# KiCad board Soldermander.kicad_pcb (continued)
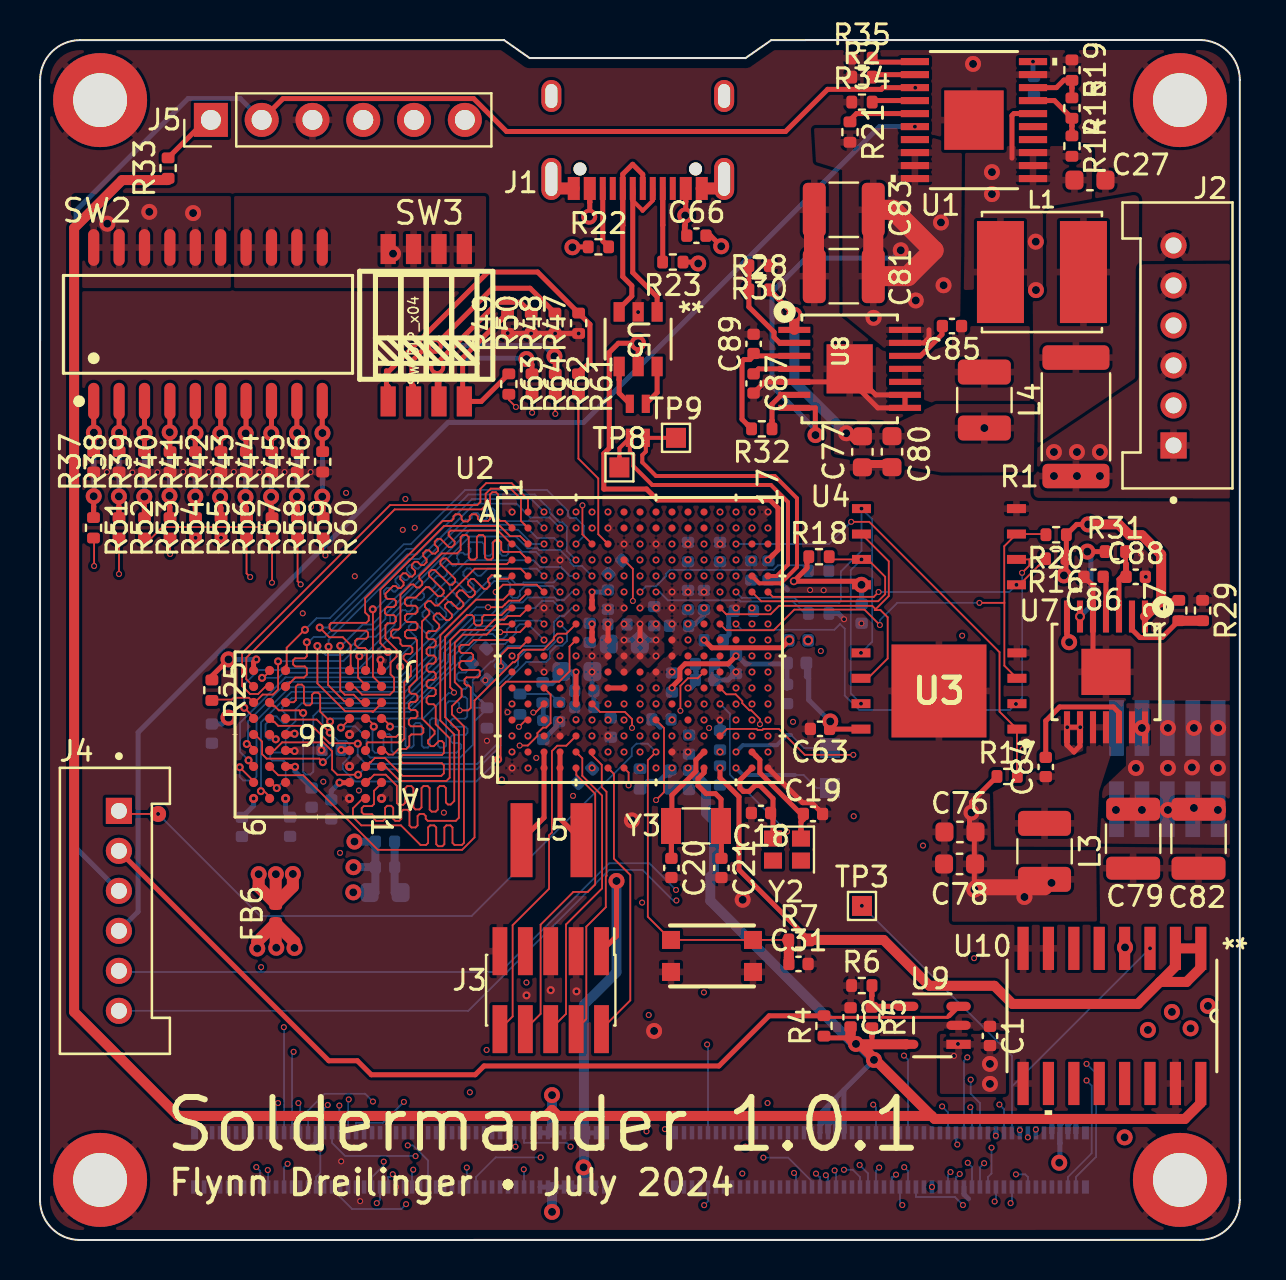
[diagram p0: board, top side]
## Footprints (pads in the part's own frame, mm; a bottom-side part is the same pattern mirrored in y, then rotated) (continued)
UDFN800X600X65-8
  rect 0.95x0.45 smd: 1(3.875,-1.905) 2(3.875,-0.635) 3(3.875,0.635) 4(3.875,1.905) 5(-3.875,1.905) 6(-3.875,0.635) 7(-3.875,-0.635) 8(-3.875,-1.905)
USB_C_Receptacle_XKB_U262-161N-4BVC11
  round 0.65 hole 0.65 unplated: (-2.39,4.045) (3.39,4.045)
  rect 0.6x1.15 smd: A1(-2.7,5.02) A4(-1.9,5.02) A9(2.9,5.02) A12(3.7,5.02)
  rect 0.3x1.15 smd: A5(-0.75,5.02) A6(0.25,5.02) A7(0.75,5.02) A8(1.75,5.02) B5(2.25,5.02) B6(1.25,5.02) B7(-0.25,5.02) B8(-1.25,5.02)
  oval 1x2.1 hole 0.6x1.7: S1(-3.82,4.545) S1(4.82,4.545)
  oval 1x1.6 hole 0.6x1.2: S1(-3.82,0.395) S1(4.82,0.395)
VFBGA54_8X8_MRN
  round 0.457 smd: A1(-3.2,3.2) A2(-2.4,3.2) A3(-1.6,3.2) A7(1.6,3.2) A8(2.4,3.2) A9(3.2,3.2) B1(-3.2,2.4) B2(-2.4,2.4) B3(-1.6,2.4) B7(1.6,2.4) B8(2.4,2.4) B9(3.2,2.4) C1(-3.2,1.6) C2(-2.4,1.6) C3(-1.6,1.6) C7(1.6,1.6) C8(2.4,1.6) C9(3.2,1.6) D1(-3.2,0.8) D2(-2.4,0.8) D3(-1.6,0.8) D7(1.6,0.8) D8(2.4,0.8) D9(3.2,0.8) E1(-3.2,0) E2(-2.4,0) E3(-1.6,0) E7(1.6,0) E8(2.4,0) E9(3.2,0) F1(-3.2,-0.8) F2(-2.4,-0.8) F3(-1.6,-0.8) F7(1.6,-0.8) F8(2.4,-0.8) F9(3.2,-0.8) G1(-3.2,-1.6) G2(-2.4,-1.6) G3(-1.6,-1.6) G7(1.6,-1.6) G8(2.4,-1.6) G9(3.2,-1.6) H1(-3.2,-2.4) H2(-2.4,-2.4) H3(-1.6,-2.4) H7(1.6,-2.4) H8(2.4,-2.4) H9(3.2,-2.4) J1(-3.2,-3.2) J2(-2.4,-3.2) J3(-1.6,-3.2) J7(1.6,-3.2) J8(2.4,-3.2) J9(3.2,-3.2)

## Nets
/RT1176 #1/VDD_LPSR_ANA: U2.P12
/RT1176 #1/VDD_LPSR_DIG: C23.1 U2.P11
/RT1176 #1/VDDA_ADC_3P3: C41.1 FB1.1 U2.J13
/RT1176 #3/VDD_MIPI_1P0: R3.1 U2.F10
/RT1176 #3/VDD_MIPI_1P8: R12.1 U2.F9
GND: C1.1 C2.1 C3.1 C4.2 C5.2 C6.2 C7.2 C8.2 C9.2 C10.2 C11.1 C14.2 C16.2 C18.2 C19.2 C20.2 C21.2 C23.2 C24.2 C25.2 C27.2 C28.2 C29.2 C31.2 C34.2 C38.2 C40.2 C41.2 C43.2 C44.2 C45.2 C46.2 C47.2 C48.2 C49.2 C50.2 C51.2 C52.2 C58.2 C59.2 C60.2 C61.2 C62.2 C63.2 C67.2 C68.2 C69.2 C70.2 C71.2 C72.2 C73.2 C74.2 C75.2 C76.1 C77.1 C78.1 C79.2 C80.1 C81.2 C82.2 C83.2 C86.2 C87.2 C88.2 C89.2 H1.1 H2.1 H3.1 H4.1 J2.2 J2.4 J2.6 J3.3 J3.5 J3.9 J5.3 J6.9 J6.10 J6.19 J6.24 J6.29 J6.36 J6.39 J6.49 J6.50 J6.58 J6.59 J6.68 J6.69 J6.78 J6.79 J6.88 J6.89 J6.99 J6.100 J6.MH1 J6.MH2 J6.MH3 J6.MH4 J7.18 J7.27 J7.32 J7.39 J7.46 J7.51 J7.60 J7.63 J7.72 J7.75 J7.84 J7.89 J7.90 J7.91 J7.93 J7.95 J7.96 J7.97 J7.99 J7.MH1 J7.MH2 J7.MH3 J7.MH4 R2.1 R3.2 R6.1 R9.1 R10.1 R12.2 R19.1 R24.2 R29.1 R30.1 R34.1 R35.1 R37.1 R38.1 R39.1 R40.1 R41.1 R42.1 R43.1 R44.1 R45.1 R46.1 R47.1 R48.1 R49.1 R50.1 SW1.B SW1.B' U1.9 U1.21 U2.A1 U2.A17 U2.B7 U2.C8 U2.C10 U2.C12 U2.C14 U2.D4 U2.F11 U2.F12 U2.F13 U2.G3 U2.G7 U2.G8 U2.G9 U2.G10 U2.G11 U2.G15 U2.H7 U2.H11 U2.J7 U2.J11 U2.K6 U2.K7 U2.K11 U2.L3 U2.L6 U2.L10 U2.L11 U2.L15 U2.P4 U2.P14 U2.R4 U2.R7 U2.T11 U2.T12 U2.U1 U2.U17 U3.4 U3.9 U4.4 U5.2 U6.A1 U6.A3 U6.B7 U6.C3 U6.D7 U6.E3 U6.J1 U7.5 U7.8 U7.9 U7.15 U8.5 U8.8 U8.9 U8.15 U9.2 U10.7 U10.8 U10.9 U10.15
GNDREF: C66.2 J1.A1 J1.A12 J1.S1 J5.4 R22.1 R23.1
VBATT: C1.2 C27.1 L1.2 R14.2 U1.1 U1.2 U1.3 U1.6 U9.1
VBATT_IN: J2.1 J2.3 J2.5 J5.5 R1.1
VBATT_SENSE: L1.1 R1.2
VDD_1V8: C47.1 C49.1 C50.1 C51.1 C58.1 C62.1 C63.1 C76.2 C78.2 FB2.1 FB6.1 J7.9 J7.10 J7.11 J7.12 J7.13 J7.14 J7.15 J7.16 L3.2 R16.1 R17.1 R18.1 R20.1 R27.2 SW2.15 SW2.16 SW2.17 SW2.18 SW2.19 SW2.20 U2.D12 U2.D14 U2.F6 U2.F7 U2.G6 U2.G13 U2.H12 U3.8 U4.8 U7.1
VDD_3V3: C9.1 C16.1 C24.1 C28.1 C44.1 C45.1 C46.1 C48.1 C52.1 C59.1 C77.2 C80.2 FB1.2 J3.1 J6.2 J6.4 J6.6 J6.8 J7.1 J7.2 J7.3 J7.4 J7.5 J7.6 J7.7 J7.8 L4.2 R11.2 R28.2 SW2.11 SW2.12 SW2.13 SW2.14 SW3.5 SW3.6 SW3.7 SW3.8 U2.E7 U2.G12 U2.H6 U2.J6 U2.L5 U2.M5 U2.M12 U2.N5 U2.P7 U2.R12 U8.1
VDD_3V3_LP: C2.2 C3.2 J6.60 J6.62 J6.64 J6.66 R4.1 R5.2 R33.1 U2.U12 U9.5 U10.16
VDD_SNVS_ANA: C8.1 C25.1 R7.2 R8.2 U2.U11 U2.U14 U10.1 U10.2
VDD_SNVS_DIG: C14.1 U2.T14
VDD_SOC_IN: C4.1 C6.1 C10.1 U2.H8 U2.H9 U2.H10 U2.J8 U2.J9 U2.J10 U2.K8 U2.K9 U2.K10 U2.L8
VDDA_1P0: U2.N11
/RT1176 #1/CLK1_N: TP2.1 U2.T15
/RT1176 #1/CLK1_P: TP1.1 U2.U15
/RT1176 #1/DCDC_MODE: C7.1 R9.2 U2.N4
/RT1176 #1/DCDC_PSWITCH: C29.1 R11.1 U2.P3
/RT1176 #3/MCM_3V3: C61.1 U2.D16
/RT1176 #3/SEMC_DQS: C5.1 U2.J2
/SDRAM/SDRAM_1V8: C67.1 C68.1 C69.1 C70.1 C71.1 C72.1 C73.1 C74.1 C75.1 FB6.2 R25.1 U6.A7 U6.A9 U6.B3 U6.C7 U6.D3 U6.E7 U6.J9
/SDRAM/SEMC_CLK_R: R26.2 U6.F2
/USB-C/USB_CON_DN: J1.A7 J1.B7 U5.1
/USB-C/USB_CON_DP: J1.A6 J1.B6 U5.3
ADC_1V8_IN: C34.1 C38.1 C40.1 C43.1 FB2.2 U2.G16 U2.K15 U2.M11
BT_CFG_IO_EN: J6.37 U2.P13
CAMERA_TRIG: J7.81 U2.T2
DAC_OUT: J6.20 U2.H16
DCDC_1V8_OUT: U2.M7 U2.M8
EN_ADCS: J4.3 J5.2 J6.22 U1.13 U10.4
EN_LP: J4.2 R4.2 U9.3
ENET_RGMII_MDC: J7.85 U2.U2
ENET_RGMII_MDIO: J7.87 U2.R3
ENET_RGMII_RX_EN: J7.20 U2.E13
ENET_RGMII_RXC: J7.22 U2.D13
ENET_RGMII_RXD0: J7.24 U2.D11
ENET_RGMII_RXD1: J7.26 U2.E11
ENET_RGMII_RXD2: J7.28 U2.E10
ENET_RGMII_RXD3: J7.30 U2.C11
ENET_RGMII_TX_EN_BT: R55.2 U2.B14
ENET_RGMII_TXC_BT: R56.2 U2.A14
ENET_RGMII_TXD0_BT: R54.2 U2.C13
ENET_RGMII_TXD1_BT: R53.2 U2.A15
ENET_RGMII_TXD2_BT: R52.2 U2.E12
ENET_RGMII_TXD3_BT: R51.2 U2.D10
FlexSPI_A_CLK: U2.G14 U3.6 U4.6
FlexSPI_A_D0: U2.F15 U3.5 U4.5
FlexSPI_A_D1: U2.H15 U3.2 U4.2
FlexSPI_A_D2: R20.2 U2.H14 U3.3 U4.3
FlexSPI_A_D3: R18.2 U2.F16 U3.7 U4.7
FlexSPI_A_SS0: R16.2 U2.F17 U4.1
FlexSPI_A_SS1: R17.2 U2.C15 U3.1
GPIO_AD_00: J6.25 U2.N12
GPIO_AD_01: J6.27 U2.R14
GPIO_AD_02: J6.31 U2.R13
GPIO_AD_03: J6.33 U2.P15
GPIO_AD_04: J6.35 U2.M13
GPIO_AD_06: J6.41 U2.N13
GPIO_AD_07: J6.43 U2.T17
GPIO_AD_08: J6.45 U2.R15
GPIO_AD_09: J6.47 U2.R16
GPIO_AD_10: J6.51 U2.R17
GPIO_AD_11: J6.53 U2.P16
GPIO_AD_12: J6.55 U2.P17
GPIO_AD_13: J6.57 U2.L12
GPIO_AD_14: J6.61 U2.N14
GPIO_AD_15: J6.63 U2.M14
GPIO_AD_16: J6.65 U2.N17
GPIO_AD_17: J6.67 U2.N15
GPIO_AD_18: J6.71 U2.M16
GPIO_AD_19: J6.73 U2.L16
GPIO_AD_20: J6.75 U2.K13
GPIO_AD_21: J6.77 U2.K14
GPIO_AD_22: J6.83 U2.K12
GPIO_AD_23: J6.81 U2.J12
GPIO_AD_26: J6.87 U2.L14
GPIO_AD_27: J6.91 U2.N16
GPIO_AD_28: J6.93 U2.L17
GPIO_AD_29: J6.95 U2.M17
GPIO_AD_30: J6.97 U2.K17
GPIO_AD_31: J6.90 U2.J17
GPIO_AD_32: J6.92 U2.K16
GPIO_AD_33: J6.94 U2.H17
GPIO_AD_34: J6.96 U2.J16
GPIO_AD_35: J6.98 U2.G17
GPIO_DISP_B2_00: R57.2 U2.E8
GPIO_DISP_B2_01: R58.2 U2.F8
GPIO_DISP_B2_02: R59.2 U2.E9
GPIO_DISP_B2_03: R60.2 U2.D7
GPIO_DISP_B2_04: R61.2 U2.C7
GPIO_DISP_B2_05: R62.2 U2.C9
GPIO_DISP_B2_06: J7.62 U2.C6
GPIO_DISP_B2_07: J7.64 U2.D6
GPIO_DISP_B2_08: J7.66 U2.B5
GPIO_DISP_B2_09: J7.68 U2.D8
GPIO_DISP_B2_10: J7.70 U2.D9
GPIO_DISP_B2_11: J7.74 U2.A6
GPIO_DISP_B2_12: J7.76 U2.B6
GPIO_DISP_B2_13: J7.78 U2.A5
GPIO_DISP_B2_14: J7.80 U2.A7
GPIO_DISP_B2_15: J7.82 U2.A4
GPIO_EMC_B1_40: J6.52 U2.K1
GPIO_EMC_B1_41: J6.54 U2.L1
GPIO_EMC_B2_00: J7.41 U2.K2
GPIO_EMC_B2_01: J7.43 U2.K4
GPIO_EMC_B2_02: J7.45 U2.K3
GPIO_EMC_B2_03: J7.47 U2.R1
GPIO_EMC_B2_04: J7.49 U2.M1
GPIO_EMC_B2_05: J7.53 U2.N1
GPIO_EMC_B2_06: J7.55 U2.T1
GPIO_EMC_B2_07: J7.57 U2.M3
GPIO_EMC_B2_08: J7.59 U2.P1
GPIO_EMC_B2_09: J7.61 U2.N2
GPIO_EMC_B2_10: J7.65 U2.R2
GPIO_EMC_B2_11: J7.67 U2.L4
GPIO_EMC_B2_12: J7.69 U2.M2
GPIO_EMC_B2_13: J7.71 U2.K5
GPIO_EMC_B2_14: J7.73 U2.M4
GPIO_EMC_B2_15: J7.77 U2.L2
GPIO_EMC_B2_16: J7.79 U2.P2
GPIO_EMC_B2_18: J7.83 U2.N3
GPIO_LPSR_00: J6.1 U2.N6
GPIO_LPSR_01: J6.3 U2.R6
GPIO_LPSR_02: R63.2 U2.P6
GPIO_LPSR_03: R64.2 U2.T7
GPIO_LPSR_04: J6.11 U2.N7
GPIO_LPSR_05: J6.13 U2.N8
GPIO_LPSR_06: J6.15 U2.P8
GPIO_LPSR_07: J6.17 U2.R8
GPIO_LPSR_08: J6.21 U2.U8
GPIO_LPSR_09: J6.23 U2.P5
GPIO_SD_B1_00: J6.26 U2.B16
GPIO_SD_B1_01: J6.28 U2.D15
GPIO_SD_B1_03: J6.30 U2.B17
GPIO_SD_B1_04: J6.32 U2.B15
GPIO_SD_B1_05: J6.34 U2.A16
GPIO_SNVS_00: J7.17 U2.R10
GPIO_SNVS_01: J7.19 U2.P10
GPIO_SNVS_02: J7.21 U2.L9
GPIO_SNVS_03: J7.23 U2.M10
GPIO_SNVS_04: J7.25 U2.N10
GPIO_SNVS_05: J7.29 U2.P9
GPIO_SNVS_06: J7.31 U2.M9
GPIO_SNVS_07: J7.33 U2.R9
GPIO_SNVS_08: J7.35 U2.N9
GPIO_SNVS_09: J7.37 U2.R11
JTAG_MOD: R10.2 U2.U6
JTAG_TDI: J3.8 U2.U5
JTAG_TDO: J3.6 U2.T5
LPUART1_RX_BOOT: J4.6 U2.M15
LPUART1_TX_BOOT: J4.5 U2.L13
ONOFF: J6.12 U2.U10
OTG1_D_N: L2.3 TP9.1 U2.E16
OTG1_D_P: L2.2 TP8.1 U2.E17
P_GOOD: J4.4 U1.16
PMIC_ON_REQ: J6.18 R8.1 TP3.1 U2.U9 U10.3
PMIC_STBY_REQ: J6.14 U2.T9
POR_B: C31.1 J4.1 R7.1 SW1.A SW1.A' U2.T10
SEMC_A0: U2.A3 U6.H7
SEMC_A1: U2.A2 U6.H8
SEMC_A2: U2.C2 U6.J8
SEMC_A3: U2.C5 U6.J7
SEMC_A4: U2.D5 U6.J3
SEMC_A5: U2.B1 U6.J2
SEMC_A6: U2.C1 U6.H3
SEMC_A7: U2.D3 U6.H2
SEMC_A8: U2.B3 U6.H1
SEMC_A9: U2.B4 U6.G3
SEMC_A10: U2.B2 U6.H9
SEMC_A11: U2.C4 U6.G2
SEMC_A12: U2.C3 U6.G1
SEMC_BA0: U2.G2 U6.G7
SEMC_BA1: U2.H2 U6.G8
SEMC_CAS: U2.J5 U6.F7
SEMC_CKE: R24.1 U2.G5 U6.F3
SEMC_CLK: R26.1 U2.J3
SEMC_CS0: R25.2 U2.E6 U6.G9
SEMC_D0: U2.F3 U6.A8
SEMC_D1: U2.F2 U6.B9
SEMC_D2: U2.G4 U6.B8
SEMC_D3: U2.E4 U6.C9
SEMC_D4: U2.H5 U6.C8
SEMC_D5: U2.F4 U6.D9
SEMC_D6: U2.H4 U6.D8
SEMC_D7: U2.H3 U6.E9
SEMC_D8: U2.E3 U6.E1
SEMC_D9: U2.D2 U6.D2
SEMC_D10: U2.D1 U6.D1
SEMC_D11: U2.E2 U6.C2
SEMC_D12: U2.E1 U6.C1
SEMC_D13: U2.F1 U6.B2
SEMC_D14: U2.G1 U6.B1
SEMC_D15: U2.H1 U6.A2
SEMC_DM0: U2.F5 U6.E8
SEMC_DM1: U2.J1 U6.F1
SEMC_RAS: U2.J4 U6.F8
SEMC_WE: U2.E5 U6.F9
SWD_CLK: J3.4 U2.T6
SWD_DIO: J3.2 U2.U7
SWD_RESET: J3.10 U2.R5
USB_CC1: J1.A5 R23.2
USB_CC2: J1.B5 R22.2
USDHC2_CLK: J6.46 U2.F14
USDHC2_CMD: J6.48 U2.E14
USDHC2_DATA0: J6.44 U2.E15
USDHC2_DATA1: J6.42 U2.H13
USDHC2_DATA2: J6.40 U2.J14
USDHC2_DATA3: J6.38 U2.J15
VSYS: C79.1 C81.1 C82.1 C83.1 J8.1 J8.2 J8.3 J8.4 J8.5 J8.6 J8.7 J8.8 J8.9 J8.10 R21.2 U1.18 U1.19 U1.20 U7.7 U7.13 U7.14 U8.7 U8.13 U8.14
VUSB: C60.1 C66.1 J1.A4 J1.A9 J5.6 U2.D17 U5.5
WAKEUP: J6.16 U2.T8
Net-(J5-Pin_1): J5.1 R33.2
Net-(R37-Pad2): R37.2 R51.1 SW2.1
Net-(R38-Pad2): R38.2 R52.1 SW2.2
Net-(R39-Pad2): R39.2 R53.1 SW2.3
Net-(R40-Pad2): R40.2 R54.1 SW2.4
Net-(R41-Pad2): R41.2 R55.1 SW2.5
Net-(R42-Pad2): R42.2 R56.1 SW2.6
Net-(R43-Pad2): R43.2 R57.1 SW2.7
Net-(R44-Pad2): R44.2 R58.1 SW2.8
Net-(R45-Pad2): R45.2 R59.1 SW2.9
Net-(R46-Pad2): R46.2 R60.1 SW2.10
Net-(R47-Pad2): R47.2 R61.1 SW3.1
Net-(R48-Pad2): R48.2 R62.1 SW3.2
Net-(R49-Pad2): R49.2 R63.1 SW3.4
Net-(R50-Pad2): R50.2 R64.1 SW3.3
Net-(U1-*FLT): R21.1 U1.15
Net-(U1-DVDT): C11.2 U1.10
Net-(U1-ILIM): R35.2 U1.11
Net-(U1-IMON): R34.2 U1.14
Net-(U1-MODE): R2.2 U1.12
Net-(U1-OVP): R15.1 R19.2 U1.8
Net-(U1-UVLO): R14.1 R15.2 U1.7
Net-(U2A-RTC_XTALI): C20.1 U2.T13 Y3.2
Net-(U2A-RTC_XTALO): C21.1 U2.U13 Y3.1
Net-(U2C-DCDC_LN_1): L5.2 U2.T4 U2.U4
Net-(U2C-DCDC_LP_1): L5.1 U2.T3 U2.U3
Net-(U2E-XTALI): C18.1 U2.U16 Y2.2
Net-(U2E-XTALO): C19.1 U2.T16 Y2.1
Net-(U5-IO_1_OUT): L2.4 U5.6
Net-(U5-IO_2_OUT): L2.1 U5.4
Net-(U7-PG): R31.1 U7.6
Net-(U7-SS): C86.1 U7.4
Net-(U7-SW1): C84.1 L3.1 U7.10 U7.11
Net-(U7-VBST): C84.2 U7.12
Net-(U7-VFB): R27.1 R29.2 U7.2
Net-(U7-VREG5): C88.1 R31.2 U7.3
Net-(U8-PG): R32.1 U8.6
Net-(U8-SS): C87.1 U8.4
Net-(U8-SW1): C85.1 L4.1 U8.10 U8.11
Net-(U8-VBST): C85.2 U8.12
Net-(U8-VFB): R28.1 R30.2 U8.2
Net-(U8-VREG5): C89.1 R32.2 U8.3
Net-(U9-ADJ): R5.1 R6.2 U9.4

Pads without a net: J1 A8 B8; J3 7; J6 5 7 56 70 72 74 76 80 82 84 85 86; J7 34 36 38 40 42 44 48 50 52 54 56 58 86 88 92 94 98 100; U1 4 5 17; U2 A8 A9 A10 A11 A12 A13 B8 B9 B10 B11 B12 B13 C16 C17 L7 M6; U6 E2; U10 5 6 10 11 12 13 14; Y2 3 4

## Via types
v1: diameter 0.3, hole 0.2, Top to Bottom, 354 vias
v2: diameter 0.4, hole 0.2, Top to Bottom, 40 vias
v3: diameter 0.8, hole 0.4, Top to Bottom, 106 vias
v4: diameter 0.5, hole 0.3, Top to Bottom, 3 vias
v5: diameter 0.8, hole 0.2, Top to Bottom, 2 vias
v6: diameter 0.4, hole 0.25, Top to Bottom, 1 via
v7: diameter 0.406, hole 0.203, Top to Bottom, 6 vias

## Routing (per net, layer and track width the routed paths; a pad name or vN(x,y) marks a point on that pad's centre or on a via; arc(x,y) is an arc through that point)
/RT1176 #1/VDD_LPSR_DIG: length 0.1
  Bottom w0.25: C23.1 31.58,26.03 v1(31.61,26.01)
/RT1176 #1/VDDA_ADC_3P3: length 4.6
  Top w0.25: v4(37.47,29.99) 37.09,29.61 33.6,29.61 v1(33.21,30.01)
  Bottom w0.25: FB1.1 37.46,29.99 v4(37.47,29.99) ; C41.1 33.21,30 v1(33.21,30.01)
/RT1176 #3/VDD_MIPI_1P0: length 8.3
  Bottom w0.09: 38.47,31.41 38.47,31.37 R3.1 ; 38.47,31.41 38.58,31.41 ; 38.47,31.41 38.17,31.41 37.65,31.93 35.02,31.93 34.97,31.99 31.4,31.99 30.99,32.41 v1(30.81,32.41)
/RT1176 #3/VDD_MIPI_1P8: length 9.2
  Top w0.09: v1(30.01,32.4) U2.F9
  Bottom w0.09: 30.01,32.4 30.01,32.39 ; 30.01,32.4 30.31,32.69 30.8,32.69 31.31,33.21 31.31,33.32 31.5,33.51 36.68,33.51 36.91,33.74 38.15,33.74 R12.1 ; 30.01,32.4 v1(30.01,32.4)
GND: length 52.3
  Top w0.25: v1(28.41,30.81) U2.J7 ; C86.2 52.66,32.71 52.66,29.06 U7.15 ; v2(17.03,29.01) 17.03,28.53 U6.J1 ; 41.13,38.94 C77.1 ; R47.1 R48.1 R50.1 R49.1 ; v2(12.73,24.45) 12.7,24.48 U6.D7 ; 42.24,38.94 42.23,38.94 ; 41.01,43.11 41.01,42.51 41.9,41.61 U8.8 U8.9 41.79,42.26 U8.15 39.84,42.91 U8.5 36.24,42.91 C87.2 35.69,42.34 ; 39.16,21.31 38.59,21.87 38.14,21.87 U2.U17 ; U7.8 U7.9 52.01,24.71 51.71,24.41 51.36,24.75 U7.8
  Top w0.4: 41.13,38.81 42.24,38.81
  Top w1: 38.72,51.52 38.71,51.51 38.71,48.21 38.72,48.2
  Bottom w0.25: 14.08,24.5 14.25,24.5 14.25,24.52 ; 36.78,33 36.89,33 ; 36.78,33 36.89,33 ; 36.78,33 C60.2 ; 36.89,33 36.96,33 ; 36.89,33 37.38,32.51 ; v1(31.61,30.81) 31.72,30.81 ; J6.29 46.21,2.29 46.43,2.06 ; 33.53,28.01 33.57,28.05 33.57,28.77 33.53,28.81 C46.2 34.41,28.81 v1(34.81,28.41) 34.41,28.01 C44.2 33.53,28.01 ; 33.53,28.01 33.57,27.97 ; C14.2 34.01,26 v1(34.01,26.01) ; C23.2 30.63,26.03 31.02,25.64 ; C41.2 34.46,30.28 34.46,30.64 34.44,30.65 34.44,31.24 34.66,31.46 C40.2 ; C29.2 25.96,25.81 C7.2 ; v1(27.61,28.41) 27.61,27.56 C28.2 C24.2 ; R3.2 39.92,31.33 v1(40.21,31.04) ; J7.72 13.81,4.87 13.64,4.7 13.56,4.7 ; 31.58,22.71 32.43,22.71
  Bottom w0.4: 17.76,18.65 C68.2 ; C68.2 C69.2 ; C68.2 17.74,17.38 C67.2
  vias: v1(3.35,38.4) v1(4.62,38.38) v1(5.87,38.39) v1(7.16,38.41) v1(8.43,38.4) v1(9.69,38.41) v1(10.97,38.39) v1(12.23,38.4) v1(13.53,38.4) v1(15.06,3.93) v1(15.71,4.62) v1(16.01,1.94) v1(17.81,2.65) v1(22.27,27.99) v1(22.35,24.96) v1(23.39,45.35) v1(23.38,26.39) v1(23.61,36.4) v1(23.61,23.6) v1(24.56,45.33) v1(25.21,31.61) v1(25.21,28.4) v1(25.76,45.33) v1(26.01,34) v1(26.01,26) v1(26.94,45.33) v1(27.61,29.21) v1(28.41,35.6) v1(28.41,31.61) v1(28.41,25.21) v1(29.21,34.8) v1(29.21,31.6) v1(29.91,46.4) v1(30.01,31.61) v1(30.81,34.8) v1(30.81,31.61) v1(31.61,32.41) v1(31.61,31.61) v1(31.61,28.41) v1(32.41,34.81) v1(32.41,32.41) v1(32.41,24.41) v1(33.21,32.41) v1(34.01,34.81) v1(34.81,31.61) v1(36.41,36.41) v1(38.51,32.5) v1(39.19,32.49) v1(41.08,30.83) v1(51.37,25.64) v1(52.02,25.64) v1(55.06,34.32) v1(55.3,33.16) v2(14.08,24.5) v2(15.48,25.28) v2(15.48,23.68) v2(15.47,22.08) v2(17.08,22.08) v2(24.33,12.23) v2(25.54,12.49) v2(26.83,12.43) v3(29.6,20.98) v3(30.71,10.45) v3(35.14,17.01) v3(46.66,58.81)
GNDREF: length 5.3
  Top w0.25: C66.2 33.54,50.23 v3(34.07,49.7) ; R23.1 32.85,48.91 v3(32.92,48.84) ; v3(26.63,49.65) 26.65,49.67 R22.1 ; 33.74,52.59 34.13,52.98 ; 34.13,52.98 J1.S1 34.13,52.98 ; 26.05,52.59 J1.S1
  Top w0.6: 26.69,52.59 26.05,52.59 ; 33.09,52.59 33.74,52.59
VBATT: length 3.2
  Top w0.25: U1.6 48.7,56.33 48.61,56.23 48.61,54.11
  vias: v1(45.71,9.21) v1(45.91,9.81) v3(47.51,8.81) v3(47.51,7.81) v3(47.61,53.41) v3(47.61,52.31) v3(49.8,49.93) v3(49.81,47.51) v3(55.41,10.51) v3(56.61,11.41) v3(57.54,10.58) v3(58.41,11.71)
VBATT_IN:
  vias: v3(50.71,39.41) v3(50.71,38.21) v3(51.86,39.41) v3(51.86,38.21) v3(53.01,39.41) v3(53.01,38.21)
VDD_1V8: length 50
  Top w0.25: R20.1 51.33,34.48 ; R20.1 51.37,35.32 ; R20.1 51.37,35.32 ; 51.33,34.48 51.4,34.41 51.4,34.07 ; 51.33,34.48 51.33,34.09 51.32,34.08 ; 55.85,31.78 56.14,31.78 56.35,31.98 56.94,31.98 ; U3.8 39.65,25.55 39.62,25.58 ; 51.42,35.36 51.84,35.79 v3(52.42,35.79) ; 51.42,35.36 51.37,35.32 ; 51.42,35.36 51.42,35.27 ; 27.61,32.01 U2.G6 27.61,32.01 ; 27.61,32.01 v1(27.61,32.41) ; 56.95,31.98 56.94,31.98 ; 56.94,31.98 R27.2 ; v3(51.21,33.24) 51.31,33.34 R16.1 ; 11.79,14.65 v3(11.82,14.62) ; v3(46.73,17.53) 46.73,20.35 46.78,20.41 ; v1(27.61,32.41) U2.F6 v1(27.61,32.41) ; C63.1 39.49,25.57 39.61,25.57 ; 40.99,32.86 U4.8 ; 40.99,32.86 v3(41.08,32.77) ; 40.99,32.86 40.9,32.95 v6(37.7,32.95) 38.36,33.6 38.36,33.89 ; 39.62,25.58 39.52,25.68 v3(39.52,25.93) ; 39.62,25.58 39.61,25.57 39.61,25.57 ; 39.61,25.57 39.61,25.56 ; 51.32,34.08 R16.1 ; 51.32,34.08 R16.1 ; 47.77,23.14 47.81,23.14 R17.1 ; 47.77,23.14 47.77,23.09 46.58,21.91 v3(46.58,21.38) 46.49,21.28 46.49,20.12 ; 47.77,23.14 47.77,23.18 ; 38.36,33.89 38.45,33.98 R18.1 ; 38.36,33.89 38.36,34.17 ; 55.56,31.48 U7.1 ; 32.41,34.02 U2.D12 32.41,34.02 ; 32.41,34.02 v1(32.41,34.03) ; v1(28.41,32.41) U2.F7 v1(28.41,32.41) ; v1(34.01,34.01) U2.D14 v1(34.01,34.01)
  Top w0.5: U7.1 55.85,31.78 56.07,31.99 56.07,34.28 55.11,35.25 54.49,35.25 53.95,35.79 v3(52.42,35.79)
  Top w0.6: v3(10.87,14.58) 10.87,14.92 FB6.1 ; v3(12.73,14.61) 12.73,14.9 FB6.1 ; FB6.1 11.79,14.65
  Top w0.8: 50.24,17.64 46.84,17.64 v3(46.73,17.53)
  Bottom w0.25: J7.9 J7.11 J7.13 J7.15 ; 32.53,30.81 32.77,30.81 33.21,31.25 33.21,31.39 ; 32.53,30.81 C58.1 ; 32.53,30.81 v1(32.41,30.81) ; v3(39.52,25.93) 38.44,27.01 38.44,28.06 ; 28.3,32.41 C51.1 ; 28.3,32.41 v1(27.61,32.41) ; 28.3,32.41 v1(28.41,32.41) ; J7.10 J7.12 J7.14 J7.16 ; 38.44,28.06 38.44,28.86 ; 38.44,28.06 38.33,28.18 FB2.1 ; v1(32.41,34.03) C47.1 ; 33.21,31.39 C50.1 33.21,31.39 ; C62.1 41.09,32.76 v3(41.08,32.77) ; v1(34.01,34.01) C49.1
  Bottom w0.5: 25.61,5.36 v3(25.61,7.25) ; 25.61,2.65 v3(25.61,1.41)
  vias: v1(33.21,31.61) v3(3.37,50.83) v3(5.47,51.42) v3(7.66,51.36) v3(49.23,17.15) v3(50.58,17.86)
VDD_3V3: length 77.5
  Top w0.25: U2.H6 27.61,30.8 ; 27.61,30.8 27.61,30.41 ; 27.61,30.8 v1(27.6,30.8) ; 37.72,45.89 U8.1 ; v3(40.32,40.35) 40.77,39.9 41.13,39.9 ; 27.61,30.41 U2.J6 27.61,30.41 ; 26.81,28.4 U2.L5 26.81,28.4 ; 26.81,28.4 26.81,28.4 ; 36.92,47.07 36.91,47.07 36.46,47.52 ; 36.92,47.07 37.36,46.63 37.39,46.63 37.39,46.6 v3(37.72,46.26) ; 36.92,47.07 36.69,47.29 ; 26.81,28.4 v1(26.81,28.4) ; 26.81,28.4 U2.M5 26.81,27.21 ; 36.69,47.29 R28.2 36.69,47.29 ; U2.E7 v1(28.41,33.2) ; U2.R12 32.41,25.21 v1(32.41,25.21) ; J3.1 28.83,15.19 v3(28.83,17.95) ; 26.81,27.21 U2.N5 26.81,27.21
  Top w0.5: U8.1 v3(37.72,46.26)
  In2.Cu w0.25: v3(50.97,3.86) 50.72,4.12 48.99,4.12 47.13,2.25 28.56,2.25 v3(27.18,3.64)
  In3.Cu w0.25: v1(32.41,31.61) 33.39,30.62 33.81,30.62
  Bottom w0.25: v3(50.97,3.86) 51.01,3.9 51.01,4.82 ; J7.1 J7.3 J7.5 J7.7 ; 32.81,28.44 32.78,28.47 C46.1 ; 32.81,28.44 32.81,28.63 ; 32.81,28.44 32.81,28.25 ; v1(32.41,25.21) 32.41,25.21 C9.1 ; C52.1 27.53,30.8 v1(27.6,30.8) ; 51.01,4.82 51.01,5.74 ; 51.01,4.82 J6.6 ; 51.01,5.74 51.01,5.94 50.61,5.94 50.61,5.65 ; 51.01,5.74 51.21,5.94 51.41,5.94 51.41,5.74 ; 25.2,27.82 R11.2 ; 25.2,27.82 25.6,27.82 26.07,28.3 C16.1 26.1,28.4 26.56,28.4 ; 25.2,27.82 25.17,27.82 ; 26.56,28.4 v1(26.81,28.4) ; 26.56,28.4 26.74,28.22 C28.1 C24.1 ; 32.81,28.25 32.78,28.22 C44.1 ; 32.81,28.25 32.81,27.86 ; 32.81,27.86 32.89,27.95 ; 32.81,27.86 32.55,27.61 v1(32.41,27.61) ; v3(27.18,3.64) 27.18,3.46 27.21,3.43 ; 51.81,5.65 J6.2 51.81,5.65 ; 51.81,5.65 51.81,5.94 51.61,5.94 51.41,5.74 ; J7.2 J7.4 J7.6 J7.8 ; 51.41,5.74 51.41,5.55 ; 51.41,5.55 J6.4 51.41,5.55 51.41,5.55 ; v1(28.41,26.01) 28.44,26.01 C45.1 ; 50.61,5.65 J6.8 50.61,5.65 ; C48.1 28.43,33.22 v1(28.41,33.2) ; v1(32.41,31.61) C59.1
  Bottom w0.5: v3(40.32,40.35) 37.72,42.94 v3(37.72,46.26) ; v3(28.83,17.95) 28.83,13.39 27.2,11.76 27.2,5.37 27.21,5.36 27.21,2.65
  vias: v3(17.66,49.33) v3(47.23,40.61) v4(38.41,29.99)
VDD_3V3_LP: length 150.3
  Top w0.25: 58.05,7.34 U10.16 ; 40.54,10.04 40.79,9.79 ; 41.6,10.41 41.6,10.2 41.61,10.19 ; 41.6,10.41 41.6,10.63 ; 41.6,10.41 R5.2 ; R4.1 39.21,10.11 40.47,10.11 ; 40.54,10.34 C2.2 ; 41.61,10.19 41.61,9.8 41.6,9.79 ; 41.61,10.19 41.61,10.59 ; 6.32,53.01 R33.1
  Top w0.5: 6.41,53.01 4.11,53.01 1.71,50.61 1.71,11.41 6.91,6.21 25.31,6.21 25.61,6.51 25.91,6.21 44.59,6.21 ; 44.59,6.21 41.79,9.01 v3(41.71,9.01) 41.71,9.09 41.01,9.79 ; 44.59,6.21 44.74,6.05 57.25,6.05 58.05,6.85 U10.16 ; 40.54,10.04 40.79,9.79 41.01,9.79 ; 40.54,10.04 40.47,10.11 ; 40.54,10.04 40.54,10.64 ; U9.5 41.01,9.79
  Bottom w0.25: v1(32.41,23.61) 32.41,23.57 32.49,23.49 ; 32.46,23.28 32.54,23.19 32.82,23.19 ; 39.41,6.71 39.41,5.74 ; 39.41,6.71 39.01,6.31 39.01,5.74 ; 39.41,6.71 39.81,7.11 ; 39.41,5.74 39.61,5.94 39.81,5.94 J6.62 39.81,5.74 ; 39.41,5.74 J6.64 39.41,5.94 39.21,5.94 39.01,5.74 ; v3(40.81,9.81) 40.91,9.81 ; 39.01,5.74 J6.66 ; 40.21,7.51 39.81,7.11 ; 40.21,7.51 v3(41.71,9.01) ; 40.21,7.51 J6.60 40.21,5.94 40.01,5.94 39.81,5.74 ; 39.81,7.11 39.81,5.74
  Bottom w0.5: 40.93,9.79 40.83,9.79 v3(40.81,9.81) 40.79,9.79 40.7,9.79 33.52,16.97 33.52,18.16 33.71,18.34 33.71,20.96 33.31,21.36 33.31,22.71 32.82,23.19 32.53,23.49 C3.2 ; 40.93,9.79 v3(41.71,9.01) ; 40.93,9.79 40.91,9.81
VDD_SNVS_ANA: length 41.8
  Top w0.25: 58.05,13.62 U10.1 ; v1(34.01,23.61) 34.01,23.11 34.96,22.16 34.96,18.52 R7.2 ; 56.78,14.58 U10.2 56.78,13.68
  Top w0.5: 56.01,12.91 56.78,13.68 ; 56.01,12.91 54.91,11.81 48.63,11.81 47.73,12.71 44.48,12.71 42.19,15.01 R7.2 ; 56.01,12.91 57.34,12.91 58.05,13.62 ; U10.2 U10.1
  In2.Cu w0.25: v1(31.61,23.61) 31.61,23.65 31.6,23.65 31.92,23.97 33.64,23.97 v1(34.01,23.61)
  Bottom w0.25: v1(31.61,23.61) 31.53,23.53 C25.1 31.53,23.51 31.26,23.24 ; 30.2,22.74 30.19,22.74 30.01,22.56 R8.2 30.2,22.74 ; 30.2,22.74 30.4,22.94 30.96,22.94 31.26,23.24 ; 31.26,23.24 31.47,23.24 31.53,23.3 ; C8.1 v1(34.01,23.61)
VDD_SNVS_DIG: length 0.1
  Bottom w0.25: v1(34.01,24.41) 34.01,24.51 C14.1
VDD_SOC_IN: length 6.3
  Top w0.25: v1(30.01,30.81) v1(30.01,30.01)
  In1.Cu w0.25: v1(29.21,30.81) v1(30.01,30.81)
  In2.Cu w0.25: v1(30.81,30.81) v1(30.81,30.01) v1(30.81,29.21)
  Bottom w0.25: 30.01,30.41 30.41,30.01 v1(30.81,30.01) ; 30.01,30.41 29.61,30.01 v1(29.21,30.01) ; 30.01,30.41 v1(30.01,30.81) ; 30.01,30.23 v1(30.01,30.01) 29.99,29.99 C4.1 ; v1(29.21,30.81) 29.34,30.81 C10.1 ; v1(30.81,30.81) 30.72,30.72 C6.1
/RT1176 #1/CLK1_N: length 5.3
  Bottom w0.09: 37.56,25.26 38.21,24.61 TP2.1
  Bottom w0.2: v1(34.81,24.41) 35.15,24.75 36.85,24.75 37.36,25.26 37.56,25.26
/RT1176 #1/CLK1_P: length 5.1
  Bottom w0.09: 37.76,23.26 38.19,23.26 38.84,22.61 TP1.1
  Bottom w0.2: 37.76,23.26 35.16,23.26 v1(34.81,23.61)
/RT1176 #1/DCDC_MODE: length 2.1
  Bottom w0.09: C7.1 25.54,27.3 R9.2
/RT1176 #1/DCDC_PSWITCH: length 0.9
  Bottom w0.25: 25.15,26 C29.1 ; 25.15,26 25.17,26.02 25.17,26.83 R11.1 ; 25.15,26 25.13,25.98
/RT1176 #3/MCM_3V3: length 0.1
  Top w0.25: v1(35.61,34.01) U2.D16 v1(35.61,34.01)
  Bottom w0.25: v1(35.61,34.01) 35.61,33.98 35.59,33.96 C61.1
/RT1176 #3/SEMC_DQS: length 2.2
  Top w0.09: U2.J2 24.01,29.61 23.41,29.61 23.05,29.25 v1(23.05,28.7)
/SDRAM/SDRAM_1V8: length 22.1
  Top w0.25: 12.34,23.69 12.29,23.69 U6.C7 ; R25.1 8.6,28.21 v3(9.43,29.04) ; U6.E7 12.3,25.3 12.34,25.3 ; U6.J9 10.68,28.9 v2(10.82,29.03) ; 15.46,24.51 U6.D3 ; v3(11.8,18.3) 11.79,18.29 ; 15.47,22.87 15.48,22.88
  Top w0.254: v7(14.98,22.87) 15.47,22.87 ; v7(12.73,25.32) 12.72,25.31 12.35,25.31 12.34,25.29 ; v7(15.06,24.51) 15.46,24.51 ; v7(12.75,23.66) 12.74,23.68 12.35,23.68 12.34,23.69
  Top w0.6: FB6.2 10.94,17.66 v3(10.94,18.3) ; FB6.2 11.79,18.29 ; FB6.2 12.65,17.67 v3(12.65,18.31)
  Bottom w0.25: C75.1 12.75,23.44 v7(12.75,23.66) ; v7(15.06,24.51) 15.06,24.51 C73.1 ; v3(9.43,29.04) 9.43,29.03 v2(10.82,29.03) ; C70.1 12.28,21.37 v7(12.28,22.08) ; v3(9.43,26.13) 9.11,25.81 C74.1 ; 14.57,21.81 C71.1 14.57,22.46 v7(14.98,22.87) ; C72.1 10.68,21.72 v7(10.68,22.08) ; 15.74,19.92 v3(15.73,19.93) ; 15.68,17.38 v3(15.67,17.39)
  Bottom w0.4: C68.1 v3(15.68,18.65) ; C68.1 C69.1 15.74,19.92 ; C68.1 16.78,17.38 C67.1 15.68,17.38
/SDRAM/SEMC_CLK_R: length 16.2
  Top w0.09: v2(16.69,25.67) 16.69,25.75 16.35,26.09 16.29,26.09 U6.F2
  Bottom w0.09: v2(16.69,25.67) 16.63,25.62 16.63,25.47 16.63,25.46 16.63,24.49 16.75,24.37 17.07,24.37 17.17,24.47 17.17,25.19 17.28,25.29 17.48,25.29 17.58,25.19 17.58,24.47 17.68,24.37 20.83,24.37 21.07,24.61 21.07,24.75 20.97,24.85 20.64,24.85 20.54,24.95 20.54,25.16 20.64,25.26 21.28,25.26 21.38,25.36 21.38,25.56 21.28,25.67 20.64,25.67 20.54,25.77 20.54,25.97 20.64,26.07 21.26,26.07 21.36,26.17 21.36,27.06 21.26,27.16 21.19,27.16 21.09,27.26 21.09,27.47 21.19,27.57 21.28,27.57 21.38,27.67 21.38,27.87 21.28,27.97 20.95,27.97 20.84,28.08 20.84,28.28 20.95,28.38 21.28,28.38 21.55,28.65 21.55,28.71 ; 21.55,28.71 21.55,28.78 ; 21.55,28.71 21.6,28.77 21.6,28.82 ; R26.2 21.6,28.82 21.6,28.82 ; 21.6,28.82 21.6,28.86
/USB-C/USB_CON_DN: length 10.3
  Top w0.2: 30.64,52.59 30.64,51.98 30.14,51.47 30.14,51.49 29.64,51.98 29.64,52.59
  Top w0.25: 30.86,46.79 U5.1 30.86,46.79 ; 30.86,46.79 30.86,47.16 29.64,48.38 29.64,52.28 ; 29.64,52.28 29.64,52.59 29.64,52.28 ; 30.64,52.28 30.64,52.59
/USB-C/USB_CON_DP: length 11.7
  Top w0.25: 28.96,46.49 U5.3 28.96,46.49 ; 28.96,46.49 28.96,46.57 29.6,47.21 29.6,47.72 29.14,48.17 29.14,50.74 ; 30.14,52.94 30.14,53.29 29.64,53.8 29.14,53.3 29.14,50.74 ; 30.14,52.94 30.14,52.59 30.14,52.94 ; 29.14,50.74 29.14,52.59
ADC_1V8_IN: length 11.4
  Top w0.25: 31.61,27.63 31.61,27.66 32,28.05 32,28.56 32.26,28.81 34.41,28.81 v1(34.81,29.21) ; 31.61,27.63 v1(31.61,27.61) 31.61,27.63
  In1.Cu w0.25: v1(34.81,29.21) 35.17,29.57 35.17,31.17 v1(35.61,31.61)
  Bottom w0.25: 37.36,27.58 C43.1 FB2.2 37.34,28.86 37.29,28.81 35.29,28.81 34.91,29.18 34.85,29.25 ; 34.85,29.25 v1(34.81,29.21) ; 34.85,29.25 C38.1 ; C40.1 35.61,31.54 v1(35.61,31.61) ; C34.1 v1(31.61,27.61)
BT_CFG_IO_EN: length 33.5
  In1.Cu w0.09: v1(33.21,26.01) 32.91,25.71 32.91,9.77 34.76,7.92 34.76,3.68 v1(35.12,3.32)
  In2.Cu w0.09: 44.61,2.68 35.76,2.68 v1(35.12,3.32) ; 44.61,2.68 v1(44.61,2.65) ; 44.61,2.68 44.63,2.68
DAC_OUT: length 36.8
  Top w0.09: v1(35.61,30.81) 35.61,30.81 U2.H16
  In1.Cu w0.09: v1(47.98,6.77) 48.1,6.9 48.1,28.23 v1(46.12,30.22)
  In2.Cu w0.09: v1(46.12,30.22) 40.4,30.22 39.52,31.11 35.9,31.11 v1(35.61,30.81)
  Bottom w0.09: J6.20 48.21,6.55 v1(47.98,6.77)
DCDC_1V8_OUT: length 0.8
  Top w0.25: U2.M8 U2.M7
EN_ADCS: length 154.4
  Top w0.25: v1(43.77,57.62) 43.76,57.62 U1.13 42.16,57.63 42.07,57.54 39.39,57.54 37.28,55.43 23.33,55.43 21.69,57.08 12.15,57.08 J5.2 ; U10.4 54.24,14.61 v3(54.26,14.63)
  In1.Cu w0.25: v1(43.77,57.62) 51.49,57.62 58.35,50.76 58.35,30.82 53.19,25.66 53.19,15.7 v3(54.26,14.63) 54.26,5.12 54.26,5.12 v3(54.24,5.13) 54.22,5.12
  In2.Cu w0.25: v3(54.24,5.13) 53.77,4.66 48.35,4.66 v1(47.8,5.21)
  Bottom w0.25: J6.22 47.8,5.35 v1(47.8,5.21) ; J4.3 1.81,19.6 1.81,51.48 7.41,57.08 10.02,57.08 J5.2
